# Altium PCB My_SOMA_25042022.PcbDoc (part 1 of 4) (continued)
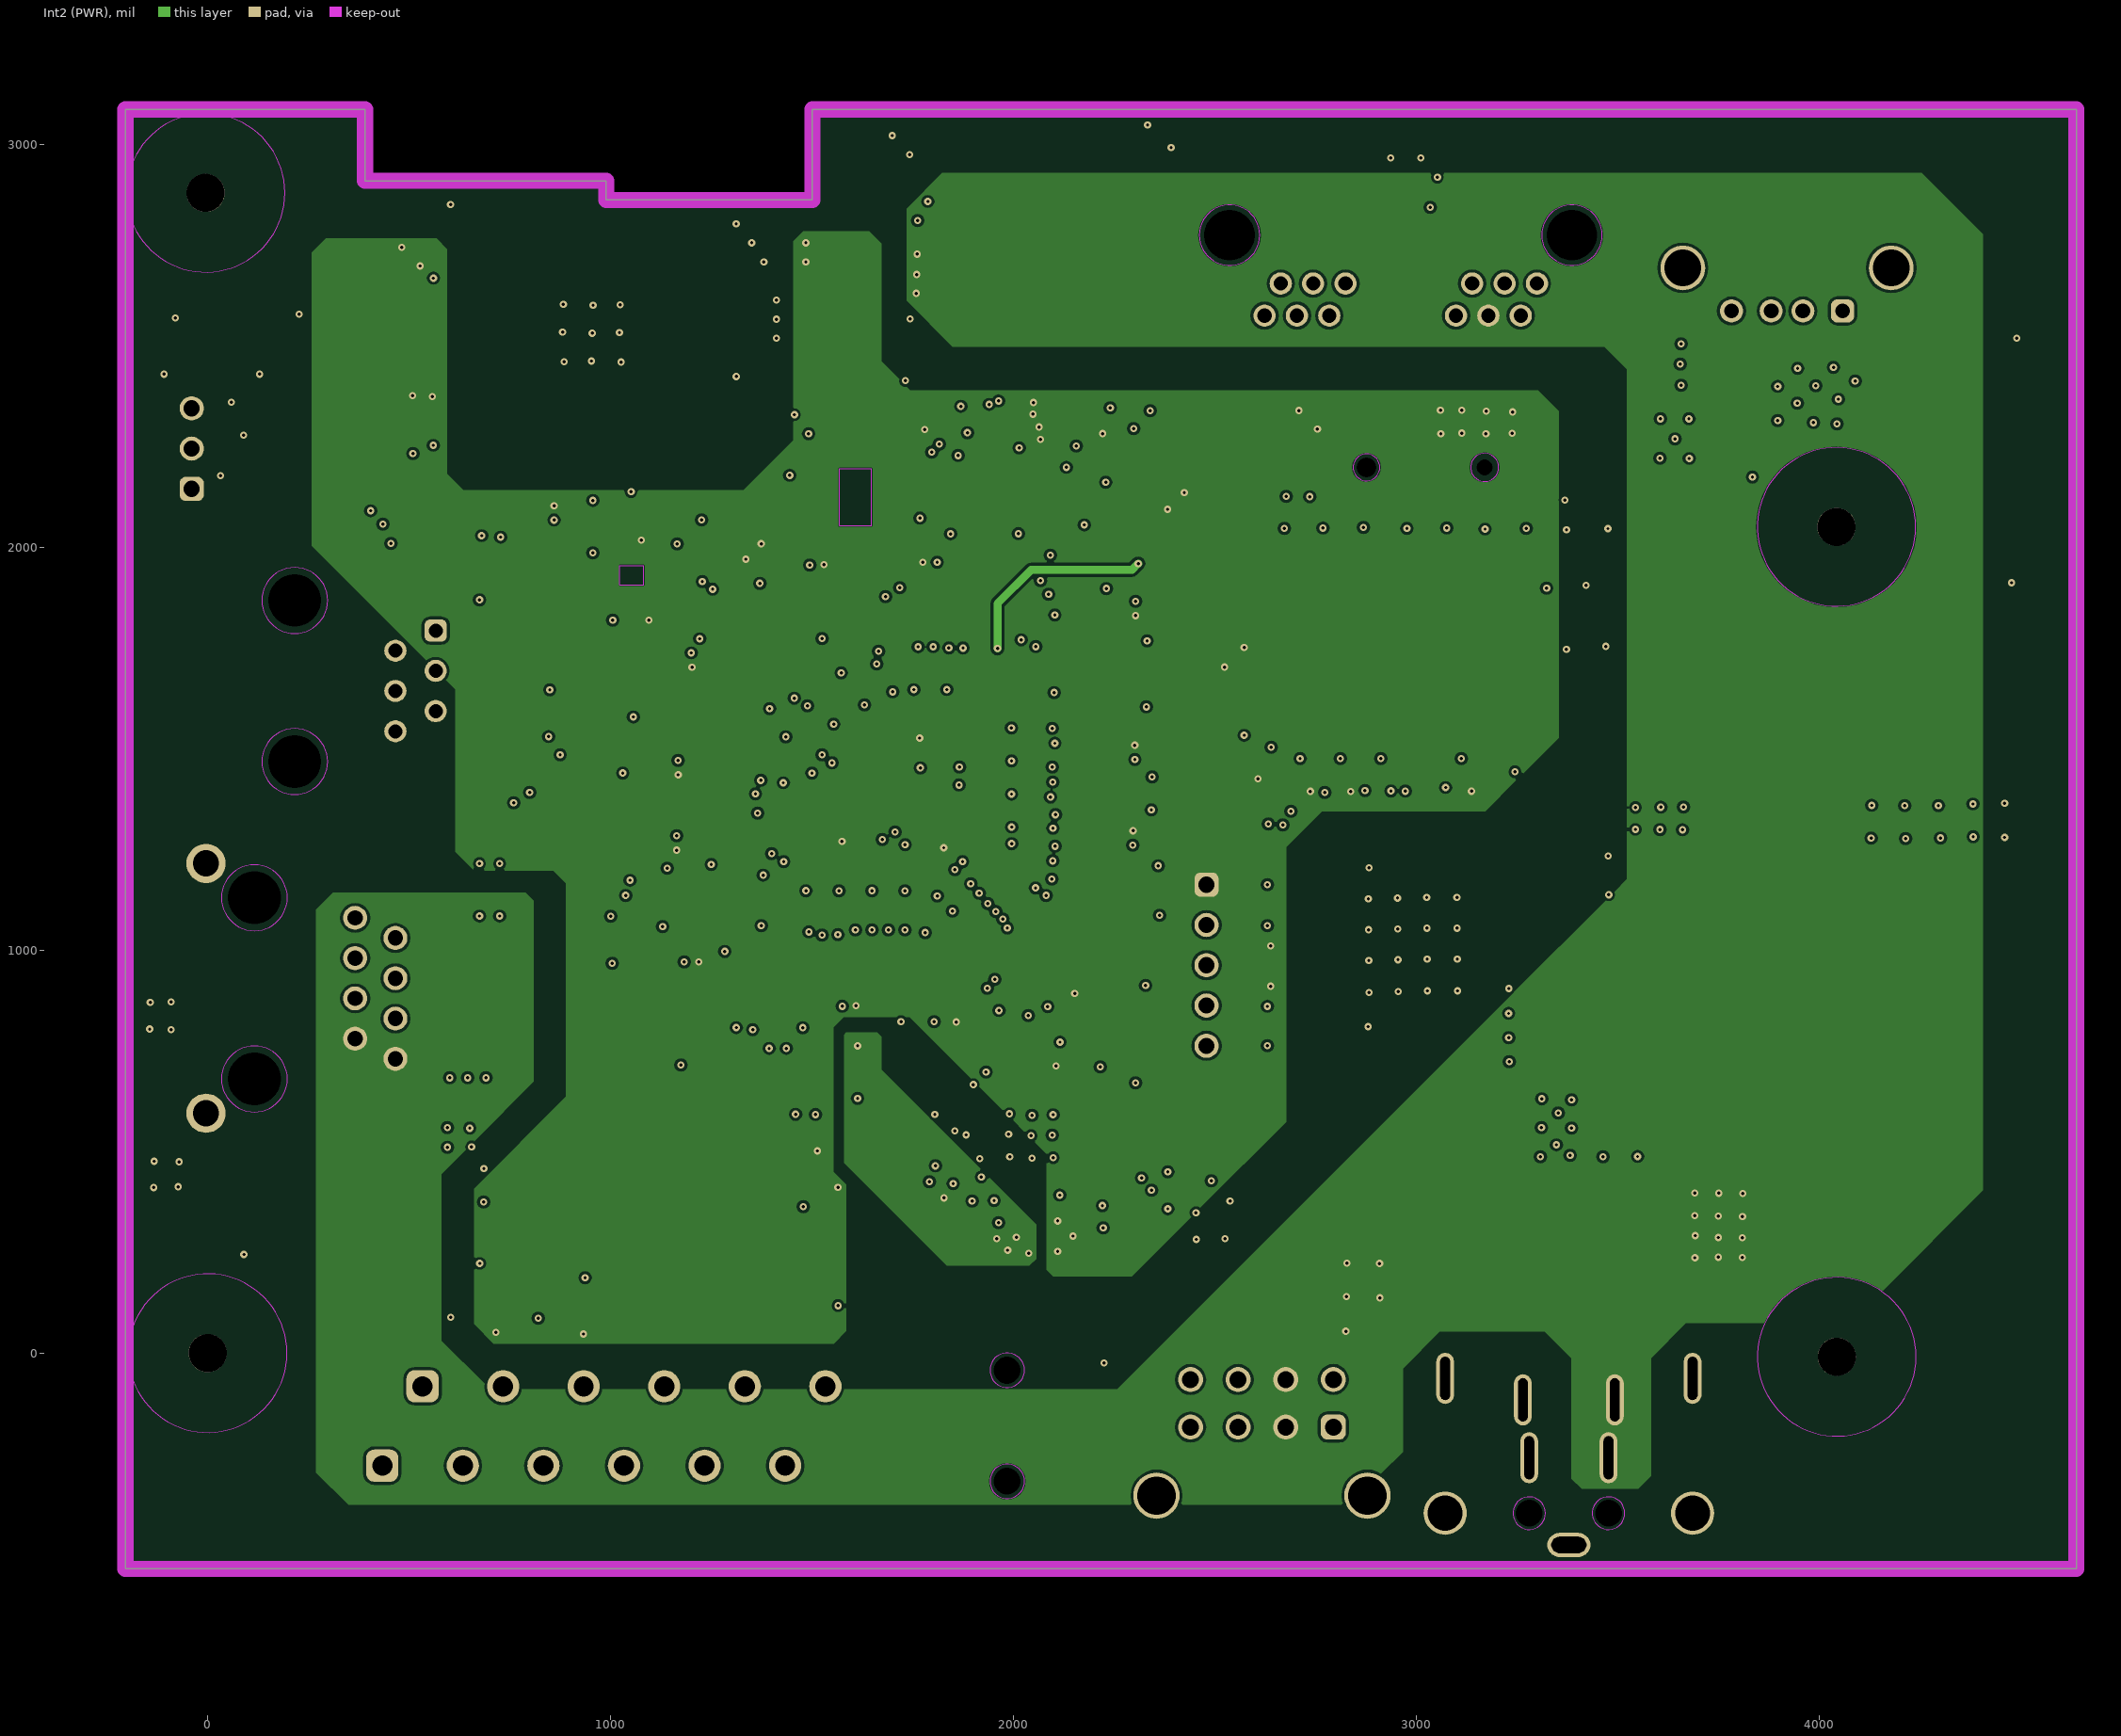
[diagram p3: Int2 (PWR)]
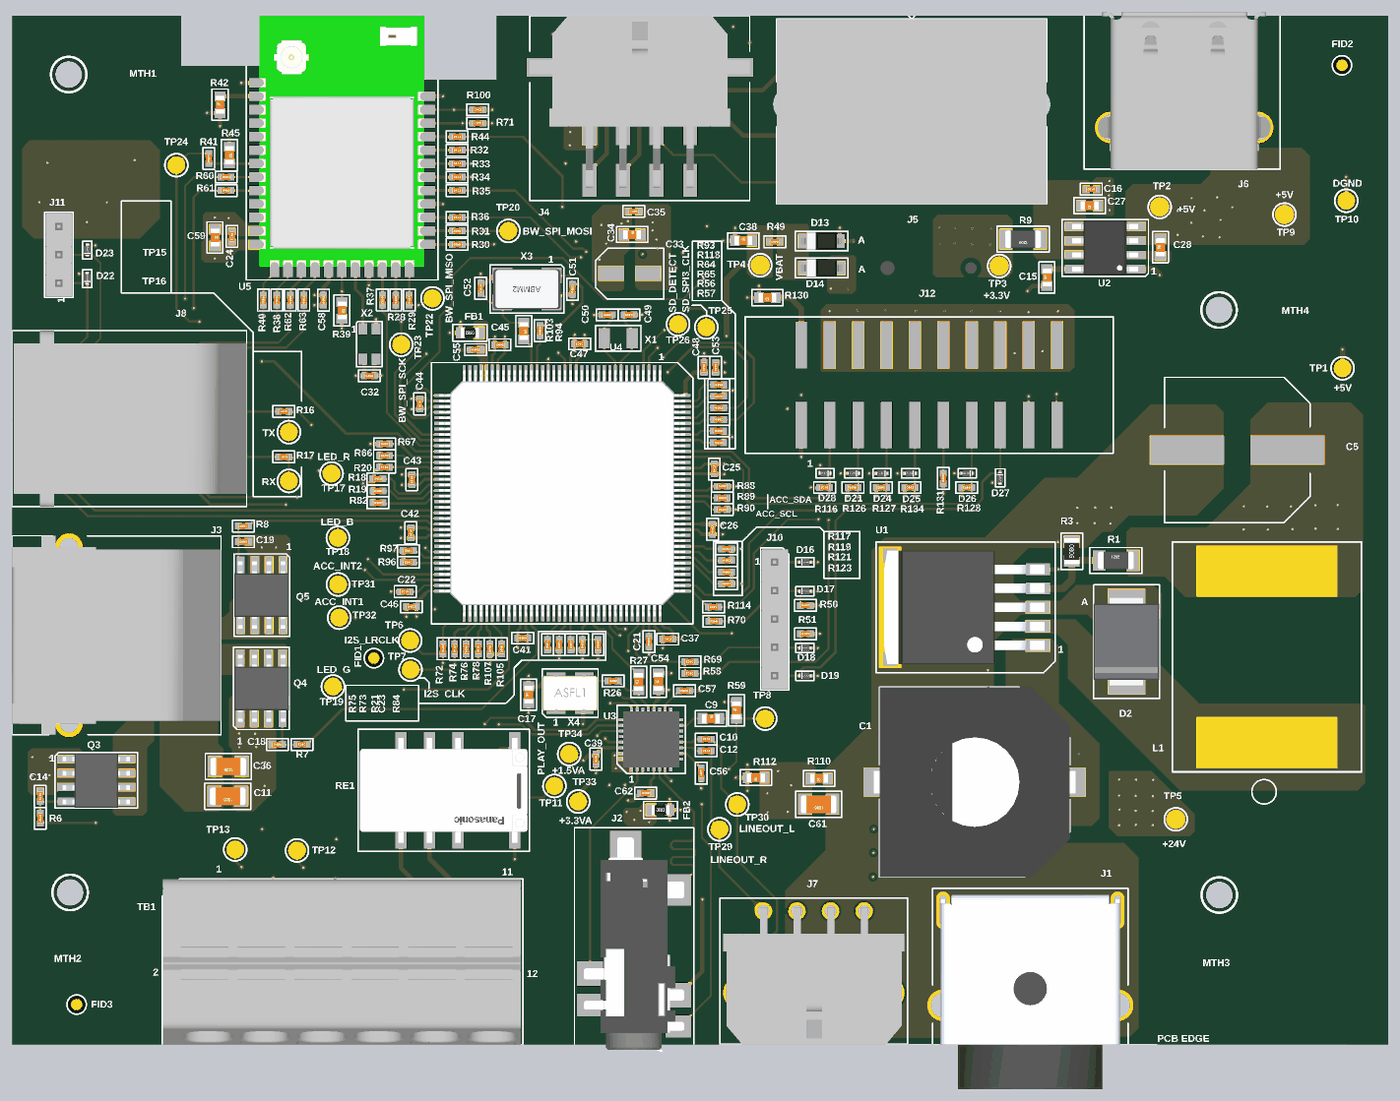
[diagram p7: 3D render of the assembled board from above, using the file's embedded part models]
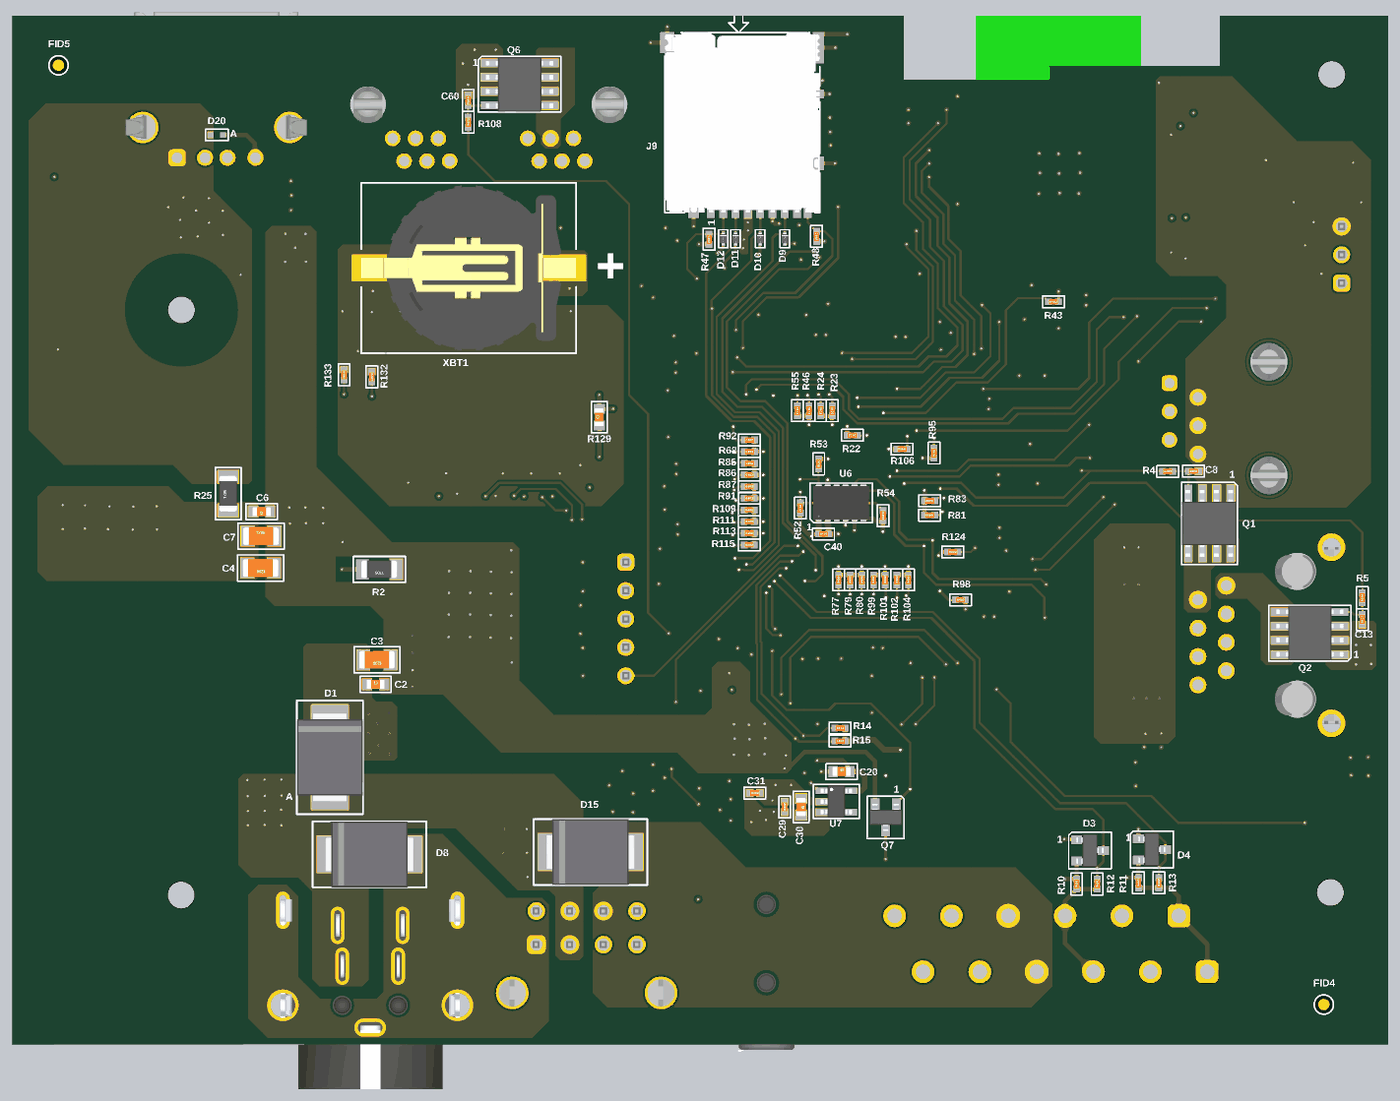
[diagram p8: 3D render of the assembled board from below, using the file's embedded part models]

## Layer stack, top to bottom
Top Solder: solder mask 1, SM-001, Dk 4
Top Layer: signal copper 1.378
Dielectric 1: prepreg 5.1, PP-017, Dk 4.3
Dielectric 2: prepreg 5.1, PP-017, Dk 4.3
Int1 (GND): signal copper 1.378
Dielectric 3: core 28, Core-039, Dk 4.8
Int2 (PWR): signal copper 1.378
Dielectric 4: prepreg 5.1, PP-017, Dk 4.3
Dielectric 5: prepreg 5.1, PP-017, Dk 4.3
Bottom Layer: signal copper 1.378
Bottom Solder: solder mask 1, SM-001, Dk 4

## Board outline
-203.99,-535.09 -203.99,3086.96 390.7,3086.96 390.7,2909.79 989.13,2909.79 989.13,2862.56 1500.94,2862.56 1500.94,3086.96 4638.52,3086.96 4638.75,3086.96 4638.75,-535.09

## Design rules (kind name [scope] priority, off if disabled: settings)
AssemblyTestPointUsage [All] p1: valid=2
Clearance L2 [OnLayer('GND1')] p1: gap=6 ignorepadtopadclearanceinfootprint=FALSE except(8: THPad-Fill THPad-Poly THPad-Region; 20: Fill-Fill Fill-Poly Fill-Region Poly-Poly Poly-Region Region-Region)
Clearance KEEPOUT [OnLayer('Keep-Out Layer')] p2: gap=1 ignorepadtopadclearanceinfootprint=FALSE
Clearance [All] p3: gap=7 ignorepadtopadclearanceinfootprint=FALSE
ComponentClearance [All] p1: gap=0 collisioncheckmode=3 verticalgap=0 showdistances=FALSE
DiffPairsRouting [All] p1: maxlimit=100 minlimit=5 mostfreqgap=5 toplayer_minwidth=15 toplayer_maxwidth=15 toplayer_prefwidth=15 midlayer1_minwidth=15 midlayer1_maxwidth=15 midlayer1_prefwidth=15 midlayer2_minwidth=15 midlayer2_maxwidth=15 midlayer2_prefwidth=15 bottomlayer_minwidth=15 bottomlayer_maxwidth=15 bottomlayer_prefwidth=15 maxuncoupledlength=1000
FabricationTestPointUsage TestPointUsage [All] p1: valid=2 allowmultiple=FALSE
FabricationTestpoint Testpoint [All] p1: side=3 testpointundercomponent=TRUE minsize=40 maxsize=100 preferedsize=60 minholesize=0 maxholesize=40 preferedholesize=32 testpointgrid=1 allowsidetop=TRUE allowsidebottom=TRUE usegrid=TRUE gridtolerance=0.01
FanoutControl Fanout_LCC [IsLCC] p1: bgadir=Out bgaviamode=Centered fanoutstyle=Auto fanoutdirection=Alternating viagrid=1 // Fanout_LCC (Default Rule)
FanoutControl Fanout_BGA [IsBGA] p2: bgadir=Out bgaviamode=Centered fanoutstyle=Auto fanoutdirection=Alternating viagrid=1 // Fanout_BGA (Default Rule)
FanoutControl Fanout_Default [All] p4: bgadir=Out bgaviamode=Centered fanoutstyle=Auto fanoutdirection=Alternating viagrid=1 // Fanout_Default (Default Rule)
FanoutControl Fanout_Small [(CompPinCount < 5)] p5: bgadir=Out bgaviamode=Centered fanoutstyle=Auto fanoutdirection=OutThenIn viagrid=1 // Fanout_Small (Default Rule)
HoleSize [All] p1: absolutevalues=TRUE maxlimit=251 minlimit=7.8 maxpercent=80.000 minpercent=20.000
MinimumSolderMaskSliver MinimumSolderMaskSliver_Logo [InComponentClass('Logo') vs InComponentClass('Logo')] p1: minsoldermaskwidth=0.7
MinimumSolderMaskSliver [All] p2: minsoldermaskwidth=2
PlaneConnect [All] p1: planeconnectstyle=Direct reliefexpansion=10 reliefentries=4 reliefconductorwidth=10 reliefairgap=10
PolygonConnect [All] p1: connectstyle=Direct reliefconductorwidth=25 reliefentries=4 polygonreliefangle="90 Angle" airgapwidth=6
RoutingVias [All] p1: holewidth=8 width=18 viastyle="Through Hole" minholewidth=8 minwidth=18 maxholewidth=12 maxwidth=24 useviatemplates=TRUE viatemplateguid#1={5183E2B7-063A-4D08-9856-B7F6F9C394E1} viatemplatename#1=v46h20m0mx0(1)
SilkToSilkClearance SilkToSilkClearance_Pb-FreeLogo [(HasFootprint('Pb-Free_Overlay_Medium') OR HasFootprint('Pb-Free_Overlay_Small')) vs (HasFootprint('Pb-Free_Overlay_Medium') OR HasFootprint('Pb-Free_Overlay_Small'))] p1: silktosilkclearance=0
SilkToSilkClearance [All] p2: silktosilkclearance=4
SilkToSolderMaskClearance "Silk to Solder Mask Opening" [IsPad] p1: minsilkscreentomaskgap=3 clearancetoexposedcopper=TRUE
SolderMaskExpansion [All] p1: expansion=1.97 istentingtop=FALSE
Width [All] p1: maxlimit=100 minlimit=8 preferedwidth=8 minimp=50.000000 maximp=50.000000 favimp=50.000000 checkconnectedcopper=TRUE
16 further rules are at their usual default settings.

## Classes and differential pairs
net class R84_Nets: +3.3V NetC23_2
net class R82_Nets: DGND NetR82_2
net class TP34_Nets: +1.5VA
net class TP33_Nets: +3.3VA
net class TP32_Nets: ACC_INT1
net class TP31_Nets: ACC_INT2
net class TP30_Nets: LINEOUT_L
net class TP29_Nets: LINEOUT_R
net class TP26_Nets: SD_DETECT
net class TP25_Nets: SD_SPI3_CLK
net class TP24_Nets: BT_WIFI_RESETN
net class TP23_Nets: BT_WIFI_SPI_SCK
net class TP22_Nets: BT_WIFI_SPI_MISO
net class TP20_Nets: BT_WIFI_SPI_MOSI
net class TP19_Nets: LED_G
net class TP18_Nets: LED_B
net class TP17_Nets: LED_R
net class TP16_Nets: LCD_UART_RX
net class TP15_Nets: LCD_UART_TX
net class TP13_Nets: LID_UPDN
net class TP12_Nets: SYS_LOCK
net class TP11_Nets: NetTP11_1 PLAY_OUT
net class TP10_Nets: DGND
net class TP9_Nets: +5V
net class TP8_Nets: NetC9_2
net class TP7_Nets: I2S_CLK
net class TP6_Nets: I2S_LRCLK
net class TP5_Nets: +24V
net class FB1_Nets: +3.3V NetC55_2
net class C55_Nets: DGND NetC55_2
net class R134_Nets: DGND J_TCK
net class R133_Nets: DGND NetJ12_19
net class R132_Nets: DGND NetJ12_17
net class R131_Nets: DGND NetJ12_11
net class R130_Nets: +3.3V NetJ12_2
net class R129_Nets: +3.3V NetJ12_1
net class R128_Nets: +3.3V J_TDO
net class R127_Nets: +3.3V J_TMS
net class R126_Nets: +3.3V J_TDI
net class R116_Nets: +3.3V J_TRST
net class R114_Nets: J_TCK NetR70_2
net class J12_Nets: DGND J_TCK J_TDI J_TDO J_TMS J_TRST NetJ12_1 NetJ12_2 NetJ12_11 NetJ12_17 NetJ12_19 RESET
net class D28_Nets: DGND J_TRST
net class D27_Nets: DGND RESET
net class D26_Nets: DGND J_TDO
net class D25_Nets: DGND J_TCK
net class D24_Nets: DGND J_TMS
net class D21_Nets: DGND J_TDI
net class R112_Nets: AGND DGND
net class R110_Nets: DGND GND
net class R100_Nets: +3.3V SDA
net class MTH4_Nets: NetMTH4_1
net class MTH3_Nets: NetMTH3_1
net class MTH2_Nets: NetMTH2_1
net class MTH1_Nets: NetMTH1_1
net class J6_Nets: +5V DGND NetJ6_2 NetJ6_3
net class FID5_Nets: NetFID5_1
net class FID4_Nets: NetFID4_1
net class FID3_Nets: NetFID3_1
net class FID2_Nets: NetFID2_1
net class FID1_Nets: NetFID1_1
net class C61_Nets: DGND GND
net class XBT1_Nets: DGND NetD14_2
net class X4_Nets: +3.3VA AGND NetR26_1 NetX4_1
net class X3_Nets: DGND NetC51_2 NetC52_2
net class X2_Nets: +3.3V DGND NetU5_20
net class X1_Nets: NetC49_2 NetC50_2
net class U6_Nets: +3.3V ACC_INT1 ACC_INT2 ACC_SCL ACC_SDA DGND NetR54_1 NetU6_3 NetU6_10 NetU6_11
net class U5_Nets: +3.3V DGND NetR28_2 NetR29_2 NetR30_2 NetR31_2 NetR32_1 NetR33_1 NetR34_1 NetR35_1 NetR36_1 NetR37_1 NetR38_1 NetR39_1 NetR40_1 NetR41_2 NetR42_2 NetR44_1 NetR60_2 NetR61_2 NetR62_2 NetR63_2 NetU5_3 NetU5_4 NetU5_5 NetU5_6 NetU5_8 NetU5_9 NetU5_10 NetU5_11 NetU5_16 NetU5_17 NetU5_20 NetU5_34 NetU5_35 SCL SDA
net class U4_Nets: +3.3V ACC_INT1 ACC_INT2 ACC_SCL ACC_SDA BT_RX BT_TX BT_WIFI_CHIP_EN BT_WIFI_GPIO3 BT_WIFI_GPIO4 BT_WIFI_GPIO7 BT_WIFI_GPIO8 BT_WIFI_GPIO17 BT_WIFI_GPIO18 BT_WIFI_GPIO19 BT_WIFI_GPIO20 BT_WIFI_IRQN BT_WIFI_RESETN BT_WIFI_SPI_CS BT_WIFI_SPI_MISO BT_WIFI_SPI_MOSI BT_WIFI_SPI_SCK DGND FAN_ON HP_SPKR_SCL HP_SPKR_SDA I2S_MCLK J_TDI J_TDO J_TRST LCD_UART_RX LCD_UART_TX LED_B LED_G LED_R LED_W_2400 LED_W_6500 LID_UPDN MIC_IN NetC21_1 NetC22_1 NetC23_2 NetC49_2 NetC50_2 NetC55_2 NetR18_2 NetR19_2 NetR20_1 NetR21_1 NetR22_1 NetR23_1 NetR24_1 NetR46_1 NetR55_1 NetR56_1 NetR57_1 NetR58_2 NetR64_1 NetR65_1 NetR66_2 NetR67_2 NetR68_1 NetR70_2 NetR72_2 NetR73_1 NetR74_2 NetR75_1 NetR76_1 NetR77_1 NetR78_2 NetR79_1 NetR80_1 NetR81_1 NetR82_2 NetR83_1 NetR85_1 NetR86_1 NetR87_1 NetR88_1 NetR89_1 NetR90_1 NetR91_1 NetR92_1 NetR93_1 NetR95_1 NetR96_1 NetR97_1 NetR98_1 NetR99_1 NetR101_1 NetR102_1 NetR104_1 NetR105_1 NetR106_1 NetR107_1 NetR109_1 NetR111_1 NetR113_1 NetR115_1 NetR117_1 NetR118_2 NetR119_1 NetR121_1 NetR123_1 NetR124_2 OSC_IN OSC_OUT PLAY_OUT RESET SD_DETECT SD_SPI3_CLK SD_SPI3_CS SD_SPI3_MISO SD_SPI3_MOSI SYS_LOCK UART_RX UART_TX VBAT WIFI_RX WIFI_TX
net class U3_Nets: +1.5VA +3.3V +3.3VA AGND GND HP_SPKR_SCL HP_SPKR_SDA I2S_CLK I2S_LRCLK I2S_SDI I2S_SDO MCLK NetC9_1 NetC10_1 NetC12_1 NetC56_2 NetC57_2 NetJ2_2 NetJ2_3 NetU3_4 NetU3_8 NetU3_9 NetU3_13 NetU3_14 NetU3_16 NetU3_17 NetU3_19 NetU3_22 NetU3_28
net class U2_Nets: +5V GND NetC15_2 NetC16_2
net class U1_Nets: GND NetC1_+ NetD2_1 NetR1_1 NetR2_2
net class TP4_Nets: VBAT
net class TP3_Nets: +3.3V
net class TP2_Nets: +5V
net class TP1_Nets: +5V
net class TB1_Nets: DGND NetR10_1 NetR11_1 NetRE1_8 NetRE1_9
net class RE1_Nets: +3.3V NetQ7_3 NetRE1_2 NetRE1_3 NetRE1_4 NetRE1_7 NetRE1_8 NetRE1_9
net class R124_Nets: DGND NetR124_2
net class R123_Nets: DGND NetR123_1
net class R121_Nets: DGND NetR121_1
net class R119_Nets: DGND NetR119_1
net class R118_Nets: DGND NetR118_2
net class R117_Nets: DGND NetR117_1
net class R115_Nets: DGND NetR115_1
net class R113_Nets: DGND NetR113_1
net class R111_Nets: DGND NetR111_1
net class R109_Nets: DGND NetR109_1
net class R108_Nets: FAN_ON NetC60_2
net class R107_Nets: DGND NetR107_1
net class R106_Nets: DGND NetR106_1
net class R105_Nets: DGND NetR105_1
net class R104_Nets: DGND NetR104_1
net class R103_Nets: NetC52_2 OSC_OUT
net class R102_Nets: DGND NetR102_1
net class R101_Nets: DGND NetR101_1
net class R99_Nets: DGND NetR99_1
net class R98_Nets: DGND NetR98_1
net class R97_Nets: DGND NetR97_1
net class R96_Nets: DGND NetR96_1
net class R95_Nets: DGND NetR95_1
net class R94_Nets: NetC51_2 OSC_IN
net class R93_Nets: DGND NetR93_1
net class R92_Nets: DGND NetR92_1
net class R91_Nets: DGND NetR91_1
net class R90_Nets: DGND NetR90_1
net class R89_Nets: DGND NetR89_1
net class R88_Nets: DGND NetR88_1
net class R87_Nets: DGND NetR87_1
net class R86_Nets: DGND NetR86_1
net class R85_Nets: DGND NetR85_1
net class R83_Nets: DGND NetR83_1
net class R81_Nets: DGND NetR81_1
net class R80_Nets: DGND NetR80_1
net class R79_Nets: DGND NetR79_1
net class R78_Nets: I2S_SDO NetR78_2
net class R77_Nets: DGND NetR77_1
net class R76_Nets: I2S_SDI NetR76_1
net class R75_Nets: DGND NetR75_1
net class R74_Nets: I2S_CLK NetR74_2
net class R73_Nets: DGND NetR73_1
net class R72_Nets: I2S_LRCLK NetR72_2
net class R71_Nets: +3.3V SCL
net class R70_Nets: NetR70_2 SW_CLK
net class R69_Nets: NetR58_2 SWD_IO
net class R68_Nets: DGND NetR68_1
net class R67_Nets: DGND NetR67_2
net class R66_Nets: DGND NetR66_2
net class R65_Nets: NetR65_1 SCL
net class R64_Nets: NetR64_1 SDA
net class R63_Nets: NetR63_2 WIFI_TX
net class R62_Nets: NetR62_2 WIFI_RX
net class R61_Nets: BT_TX NetR61_2
net class R60_Nets: BT_RX NetR60_2
net class R59_Nets: MIC_IN NetC9_2
net class R58_Nets: J_TMS NetR58_2
net class R57_Nets: DGND NetR57_1
net class R56_Nets: DGND NetR56_1
net class R55_Nets: DGND NetR55_1
net class R54_Nets: +3.3V NetR54_1
net class R53_Nets: +3.3V ACC_SDA
net class R52_Nets: +3.3V ACC_SCL
net class R49_Nets: NetD13_1 VBAT
net class R51_Nets: +3.3V SWD_IO
net class R50_Nets: +3.3V SW_CLK
net class R48_Nets: +3.3V SD_DETECT
net class R47_Nets: +3.3V SD_SPI3_CS
net class R46_Nets: DGND NetR46_1
net class R45_Nets: DGND NetR41_2
net class R44_Nets: BT_WIFI_IRQN NetR44_1
net class R43_Nets: BT_WIFI_CHIP_EN NetR39_1
net class R42_Nets: +3.3V NetR42_2
net class R41_Nets: BT_WIFI_RESETN NetR41_2
net class R40_Nets: BT_WIFI_GPIO3 NetR40_1
net class R39_Nets: DGND NetR39_1
net class R38_Nets: BT_WIFI_GPIO4 NetR38_1
net class R37_Nets: BT_WIFI_GPIO8 NetR37_1
net class R36_Nets: BT_WIFI_GPIO7 NetR36_1
net class R35_Nets: BT_WIFI_GPIO17 NetR35_1
net class R34_Nets: BT_WIFI_GPIO18 NetR34_1
net class R33_Nets: BT_WIFI_GPIO19 NetR33_1
net class R32_Nets: BT_WIFI_GPIO20 NetR32_1
net class R31_Nets: BT_WIFI_SPI_MOSI NetR31_2
net class R30_Nets: BT_WIFI_SPI_CS NetR30_2
net class R29_Nets: BT_WIFI_SPI_MISO NetR29_2
net class R28_Nets: BT_WIFI_SPI_SCK NetR28_2
net class R27_Nets: I2S_MCLK MCLK
net class R26_Nets: MCLK NetR26_1
net class R25_Nets: +5V NetC4_2
net class R24_Nets: DGND NetR24_1
net class R23_Nets: DGND NetR23_1
net class R22_Nets: DGND NetR22_1
net class R21_Nets: DGND NetR21_1
net class R20_Nets: DGND NetR20_1
net class R19_Nets: DGND NetR19_2
net class R18_Nets: DGND NetR18_2
net class R17_Nets: LCD_UART_RX LCD_UART_RX-PA10
net class R16_Nets: LCD_UART_TX LCD_UART_TX-PA9
net class R15_Nets: +3.3V HP_SPKR_SCL
net class R14_Nets: +3.3V HP_SPKR_SDA
net class R13_Nets: LID_UPDN NetR11_1
net class R12_Nets: NetR10_1 SYS_LOCK
net class R11_Nets: +3.3V NetR11_1
net class R10_Nets: +3.3V NetR10_1
net class R9_Nets: +3.3V NetC16_2
net class R8_Nets: LED_B NetC19_2
net class R7_Nets: LED_G NetC18_2
net class R6_Nets: LED_W_6500 NetC14_2
net class R5_Nets: LED_W_2400 NetC13_2
net class R4_Nets: LED_R NetC8_2
net class R3_Nets: GND NetR1_1
net class R2_Nets: GND NetR2_2
net class R1_Nets: NetC4_2 NetR1_1
net class Q7_Nets: GND NetQ7_3 PLAY_OUT
net class Q6_Nets: DGND NetC60_2 NetJ4_6
net class Q5_Nets: DGND NetC19_2 NetJ3_5
net class Q4_Nets: DGND NetC18_2 NetJ3_3
net class Q3_Nets: DGND NetC14_2 NetJ3_4
net class Q2_Nets: DGND NetC13_2 NetJ3_8
net class Q1_Nets: DGND NetC8_2 NetJ3_7
net class L1_Nets: NetC4_2 NetD2_1
net class J11_Nets: DGND UART_RX UART_TX
net class J10_Nets: +3.3V DGND RESET SW_CLK SWD_IO
net class J9_Nets: +3.3V DGND NetJ9_1 NetJ9_8 SD_DETECT SD_SPI3_CLK SD_SPI3_CS SD_SPI3_MISO SD_SPI3_MOSI
net class J8_Nets: DGND LCD_UART_RX-PA10 LCD_UART_TX-PA9 NetJ8_7 NetJ8_8
net class J7_Nets: +24V DGND GND LINEOUT_L LINEOUT_R
net class D20_Nets: +5V DGND NetJ6_2 NetJ6_3
net class J5_Nets: +24V NetJ4_3 NetJ4_5 NetJ4_6 NetJ5_1 NetJ5_2 NetJ5_5 NetJ5_6 NetJ5_7 NetJ5_8 NetJ5_11 NetJ5_12 NetJ5_13 NetJ5_14
net class J4_Nets: +24V NetJ4_2 NetJ4_3 NetJ4_4 NetJ4_5 NetJ4_6 NetJ4_7 NetJ4_8
net class J3_Nets: +24V DGND NetJ3_3 NetJ3_4 NetJ3_5 NetJ3_7 NetJ3_8
net class J2_Nets: AGND NetC9_2 NetJ2_2 NetJ2_3 NetJ2_5 NetJ2_6
net class J1_Nets: +24V GND
net class FB2_Nets: +3.3V +3.3VA
net class D23_Nets: DGND UART_RX
net class D22_Nets: DGND UART_TX
net class D19_Nets: DGND RESET
net class D18_Nets: DGND SWD_IO
net class D17_Nets: DGND SW_CLK
net class D16_Nets: +3.3V DGND
net class D15_Nets: +24V DGND
net class D14_Nets: NetD13_1 NetD14_2
net class D13_Nets: +3.3V NetD13_1
net class D12_Nets: DGND SD_SPI3_CS
net class D11_Nets: DGND SD_SPI3_MOSI
net class D10_Nets: DGND SD_SPI3_CLK
net class D9_Nets: DGND SD_SPI3_MISO
net class D8_Nets: +24V GND
net class D4_Nets: +3.3V DGND LID_UPDN
net class D3_Nets: +3.3V DGND SYS_LOCK
net class D2_Nets: GND NetD2_1
net class D1_Nets: +24V NetC1_+
net class C60_Nets: DGND NetC60_2
net class C59_Nets: +3.3V DGND
net class C58_Nets: +3.3V DGND
net class C57_Nets: AGND NetC57_2
net class C56_Nets: AGND NetC56_2
net class C62_Nets: +3.3VA AGND
net class C54_Nets: +3.3V GND
net class C53_Nets: +3.3V DGND
net class C52_Nets: DGND NetC52_2
net class C51_Nets: DGND NetC51_2
net class C50_Nets: DGND NetC50_2
net class C49_Nets: DGND NetC49_2
net class C48_Nets: +3.3V DGND
net class C47_Nets: +3.3V DGND
net class C46_Nets: +3.3V DGND
net class C45_Nets: +3.3V DGND
net class C44_Nets: +3.3V DGND
net class C43_Nets: +3.3V DGND
net class C42_Nets: +3.3V DGND
net class C41_Nets: +3.3V DGND
net class C40_Nets: +3.3V DGND
net class C39_Nets: +1.5VA AGND
net class C38_Nets: DGND VBAT
net class C37_Nets: +3.3V DGND
net class C36_Nets: +24V DGND
net class C35_Nets: +3.3V DGND
net class C34_Nets: +3.3V DGND
net class C33_Nets: +3.3V DGND
net class C32_Nets: +3.3V DGND
net class C31_Nets: +3.3VA AGND
net class C30_Nets: +3.3VA AGND
net class C29_Nets: +3.3VA AGND
net class C28_Nets: +5V GND
net class C27_Nets: DGND NetC16_2
net class C26_Nets: +3.3V DGND
net class C25_Nets: +3.3V DGND
net class C24_Nets: +3.3V DGND
net class C23_Nets: DGND NetC23_2
net class C22_Nets: DGND NetC22_1
net class C21_Nets: DGND NetC21_1
net class C20_Nets: +1.5VA AGND
net class C19_Nets: DGND NetC19_2
net class C18_Nets: DGND NetC18_2
net class C17_Nets: +3.3VA AGND
net class C16_Nets: DGND NetC16_2
net class C15_Nets: DGND NetC15_2
net class C14_Nets: DGND NetC14_2
net class C13_Nets: DGND NetC13_2
net class C12_Nets: LINEOUT_R NetC12_1
net class C11_Nets: +24V DGND
net class C10_Nets: LINEOUT_L NetC10_1
net class C9_Nets: NetC9_1 NetC9_2
net class C8_Nets: DGND NetC8_2
net class C7_Nets: GND NetC4_2
net class C6_Nets: GND NetC4_2
net class C5_Nets: GND NetC4_2
net class C4_Nets: GND NetC4_2
net class C3_Nets: GND NetC1_+
net class C2_Nets: GND NetC1_+
net class C1_Nets: GND NetC1_+
net class U7_Nets: +1.5VA +3.3VA AGND
component class 06_ACCELEROMETER: C40 C60 D15 D21 D24 D25 D26 D27 D28 J4 J5 J7 J12 Q6 R52 R53 R54 R108 R116 R126 R127 R128 R129 R130 R131 R132 R133 R134 TP29 TP30 TP31 TP32 U6
component class 05_MCU1: C21 C22 C23 C25 C26 C37 C41 C42 C43 C44 C45 C46 C47 C48 C49 C50 C51 C52 C53 C55 FB1 R18 R19 R20 R21 R22 R23 R24 R46 R55 R56 R57 R58 R64 R65 R66 R67 R68 R69 R70 R72 R73 R74 R75 R76 R77 R78 R79 R80 R81 R82 R83 R84 R85 R86 R87 R88 R89 R90 R91 R92 R93 R94 R95 R96 R97 R98 R99 R101 R102 R103 R104 R105 R106 R107 R109 R111 R113 R114 R115 R117 R118 R119 R121 R123 R124 TP17 TP18 TP19 X1 X3
component class "02_SPEAKER & LED STRIPS": *1 C8 C9 C10 C11 C12 C13 C14 C17 C18 C19 C20 C29 C30 C31 C36 C39 C54 C56 C57 C62 FB2 J2 J3 Q1 Q2 Q3 Q4 Q5 R4 R5 R6 R7 R8 R14 R15 R26 R27 R59 TP6 TP7 TP8 TP33 TP34 U3 U7 X4
component class "03_CONNECTORS & AUDIO CONTROL INPUTS": C38 D3 D4 D13 D14 D16 D17 D18 D19 D20 J6 J8 J10 Q7 R10 R11 R12 R13 R16 R17 R49 R50 R51 RE1 T4 TB1 TP4 TP9 TP10 TP11 TP12 TP13 TP15 TP16 XBT1
component class "01_POWER SUPPLY": C1 C2 C3 C4 C5 C6 C7 C15 C16 C27 C28 C61 D1 D2 D8 D22 D23 FID1 FID2 FID3 FID4 FID5 J1 J11 L1 MTH1 MTH2 MTH3 MTH4 R1 R2 R3 R9 R25 R110 R112 T1 TP1 TP2 TP3 TP5 U1 U2
component class "04_BLE & WIFI module": C24 C32 C33 C34 C35 C58 C59 D9 D10 D11 D12 J9 R28 R29 R30 R31 R32 R33 R34 R35 R36 R37 R38 R39 R40 R41 R42 R43 R44 R45 R47 R48 R60 R61 R62 R63 R71 R100 T6 TP20 TP22 TP23 TP24 TP25 TP26 U5 X2